# Altium PCB RUMBA_plus.PcbDoc (part 3 of 3)
Units mil, origin at the board's own origin, x right, y up, seen from the top; angles counter-clockwise.
Board outline 5314.96 x 2952.76 mil, 2 copper layers (Top Layer, Bottom Layer), stack 62.249 mil thick; 205 components, 188 nets, 892 pads, 249 vias.
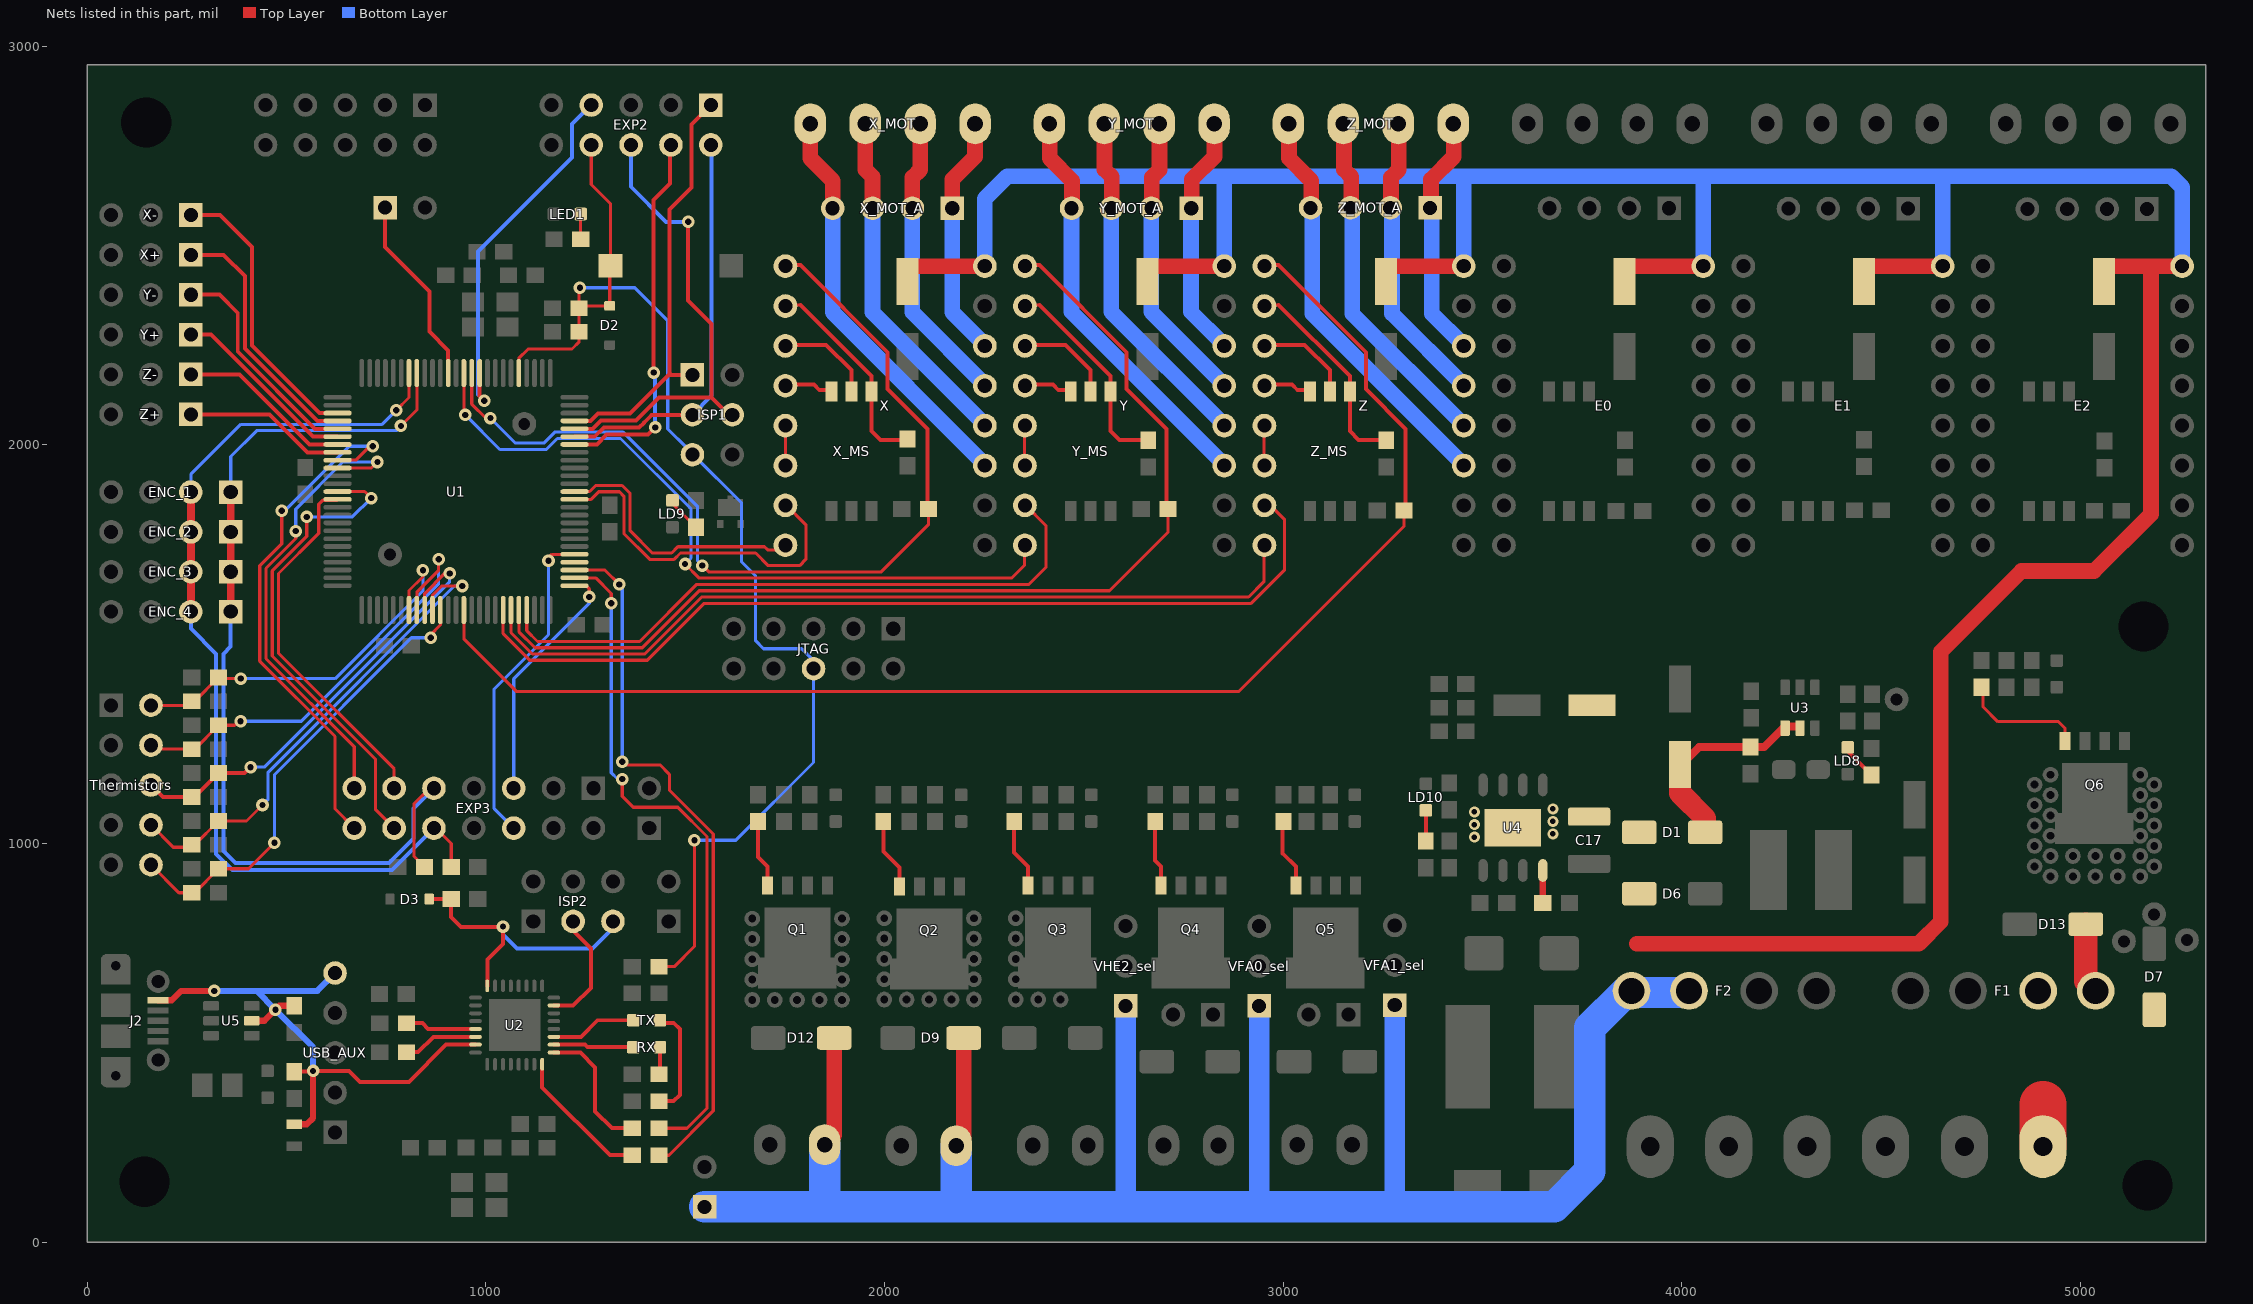
[diagram p3: the nets of this part, all layers, seen from the top]

## Via types
v1: diameter 31.5, hole 15.75, Top Layer to Bottom Layer, tented both sides, 190 vias
v2: diameter 27.56, hole 13.78, Top Layer to Bottom Layer, tented both sides, 54 vias
v3: diameter 27.56, hole 13.78, Top Layer to Bottom Layer, 5 vias

## Nets (pads, with @x,y where several pads share a name; then routed paths per layer and width w, separated by ;. In a path a pad name is that pad's centre, name@x,y a point inside that pad or via, vN(x,y) a via of type N, cw(c..) or ccw(c..) an arc to the next point about the centre after c; other vN are vias at no path point) (continued)
NetLD8_1: LD8.1 R20.1 | length 94
  Top Layer w10: LD8.1@4416.86,1240.65 4416.86,1230.78 R20.1@4476.38,1171.26
NetLD9_1: LD9.1 R58.1 | length 91.4
  Top Layer w7.87: LD9.1@1468.5,1860.24 1468.5,1852.36 R58.1@1527.56,1793.31
NetLD10_1: LD10.1 R59.1 | length 76.8
  Top Layer w10: R59.1@3358.27,1005.9 LD10.1@3358.27,1082.68
NetLED1_1: LED1.1 R13.1 | length 63
  Top Layer w7.87: R13.1@1238.19,2515.75 LED1.1@1238.19,2578.74
NetQ1_1: Q1.1 R34.2 | length 170.1
  Top Layer w10: R34.2@1683.12,1054.84 1683.12,966.33 1707.25,942.2 Q1.1@1707.25,894.78
NetQ2_1: Q2.1 R37.2 | length 160.8
  Top Layer w10: R37.2@1998.15,1036.49 1998.15,979.72 2038.15,939.71 Q2.1@2038.15,892.3
NetQ3_1: Q3.1 R48.2 | length 179.1
  Top Layer w10: R48.2@2336.07,1054.84 2325.15,1043.92 2325.15,977.25 2360.2,942.2 Q3.1@2360.2,894.78
NetQ4_1: Q4.1 R51.2 | length 170.1
  Top Layer w10: R51.2@2670.04,1054.84 2679.15,1045.73 2679.15,957.22 2694.18,942.2 Q4.1@2694.18,894.78
NetQ5_1: Q5.1 R46.2 | length 177.4
  Top Layer w10: R46.2@3008.01,1054.84 2999.15,1045.97 2999.15,975.2 3032.15,942.2 Q5.1@3032.15,894.78
NetQ6_1: Q6.1 R31.2 | length 316.8
  Top Layer w7.87: R31.2@4740.3,1393.39 4755.91,1377.79 4755.91,1342.52 4793.13,1305.3 4945.3,1305.3 4961.3,1289.3 Q6.1@4961.3,1257.3
NetR7_1: R7.1 U2.30 | length 189.2
  Top Layer w10: R7.1@801.11,476.2 830.53,476.2 869.06,514.72 U2.30@974.33,514.72
NetR8_1: R8.1 U2.29 | length 179.2
  Top Layer w10: R8.1@801.11,548.87 840.89,548.87 855.35,534.41 U2.29@974.33,534.41
NetR10_2: R10.2 U4.4 | length 65.7
  Top Layer w15.75: R10.2@3651.77,866.34 U4.4@3651.77,932.09
NetR15_2: R15.2 TX.1 | length 277.6
  Top Layer w10: R15.2@1434.39,353.18 1471.29,353.18 1487.15,369.04 1487.15,534.3 1471.62,549.83 TX.1@1440.52,549.83
NetR16_2: R16.2 RX.1 | length 68.8
  Top Layer w10: R16.2@1434.39,420.9 1437.07,423.58 RX.1@1437.07,488.61
NetR17_1: R17.1 U2.8 | length 354.1
  Top Layer w10: U2.8@1141.65,445.83 1141.65,388.04 1311.94,217.75 R17.1@1367.46,217.75
NetR18_1: R18.1 U2.9 | length 339.5
  Top Layer w10: U2.9@1171.18,475.35 1237.24,475.35 1274.53,438.07 1274.53,327.92 1316.98,285.47 R18.1@1367.46,285.47
NetR22_1: R22.1 X.2 X_MS.4 | length 526.5
  Top Layer w7.87: X.2@1751.94,2350.57 1789.05,2350.57
  Top Layer w10: 1789.05,2350.57 1967.57,2172.05 1967.57,2034.05 1989.79,2011.83 R22.1@2057.28,2011.83
NetR24_1: R24.1 Y.2 Y_MS.4 | length 526.5
  Top Layer w7.87: Y.2@2351.94,2350.57 2389.05,2350.57
  Top Layer w10: 2389.05,2350.57 2567.57,2172.05 2567.57,2034.05 2589.79,2011.83 R24.1@2657.28,2011.83
NetR26_1: R26.1 Z.2 Z_MS.4 | length 526.5
  Top Layer w7.87: Z.2@2951.94,2350.57 2989.05,2350.57
  Top Layer w10: 2989.05,2350.57 3167.57,2172.05 3167.57,2034.05 3189.79,2011.83 R26.1@3257.28,2011.83
NetRX_2: RX.2 U2.10 | length 201.6
  Top Layer w10: U2.10@1171.18,495.04 1249.06,495.04 1255.48,488.61 RX.2@1370.15,488.61
NetTX_2: TX.2 U2.11 | length 216.2
  Top Layer w10: U2.11@1171.18,514.72 1239.13,514.72 1280.74,556.33 TX.2@1370.15,556.33
NetX_3: X.3 X_MS.5 | length 242.3
  Top Layer w10: X.3@1751.94,2250.57 1854.05,2250.57 1917.57,2187.05 X_MS.5@1917.57,2136.69
NetX_4: X.4 X_MS.6 | length 121.4
  Top Layer w10: X.4@1751.94,2150.57 1823.05,2150.57 1836.93,2136.69 X_MS.6@1867.57,2136.69
NetX_5: X.5 X.6 | length 100
  Top Layer w7.87: X.6@1751.94,1950.57 X.5@1751.94,2050.57
NetX_11: X.11 X_MOT.1 X_MOT_A.4 | length 1035.6
  Top Layer w39.37: X_MOT.1@1814.2,2804.88 1814.2,2718.4 1870.3,2662.3 X_MOT_A.4@1870.3,2593.3
  Bottom Layer w39.37: X_MOT_A.4@1870.3,2593.3 1870.3,2332.21 X.11@2251.94,1950.57
NetX_12: X.12 X_MOT.2 X_MOT_A.3 | length 878.5
  Top Layer w39.37: X_MOT.2@1952,2804.88 1952,2690.6 1970.3,2672.3 X_MOT_A.3@1970.3,2593.3
  Bottom Layer w39.37: X_MOT_A.3@1970.3,2593.3 1970.3,2332.21 X.12@2251.94,2050.57
NetX_13: X.13 X_MOT.3 X_MOT_A.2 | length 737.6
  Top Layer w39.37: X_MOT_A.2@2070.3,2593.3 2070.3,2670.3 2089.8,2689.8 X_MOT.3@2089.8,2804.88
  Bottom Layer w39.37: X_MOT_A.2@2070.3,2593.3 2070.3,2332.21 X.13@2251.94,2150.57
NetX_14: X.14 X_MOT.4 X_MOT_A.1 | length 611.9
  Top Layer w39.37: X_MOT_A.1@2170.3,2593.3 2170.3,2665.3 2227.59,2722.59 X_MOT.4@2227.59,2804.88
  Bottom Layer w39.37: X_MOT_A.1@2170.3,2593.3 2170.3,2332.21 X.14@2251.94,2250.57
NetY_3: Y.3 Y_MS.5 | length 242.3
  Top Layer w10: Y.3@2351.94,2250.57 2454.05,2250.57 2517.57,2187.05 Y_MS.5@2517.57,2136.69
NetY_4: Y.4 Y_MS.6 | length 121.4
  Top Layer w10: Y.4@2351.94,2150.57 2423.05,2150.57 2436.93,2136.69 Y_MS.6@2467.57,2136.69
NetY_5: Y.5 Y.6 | length 100
  Top Layer w7.87: Y.6@2351.94,1950.57 Y.5@2351.94,2050.57
NetY_11: Y.11 Y_MOT.1 Y_MOT_A.4 | length 1036
  Top Layer w39.37: Y_MOT.1@2414.6,2804.88 2414.6,2718.4 2470.69,2662.3 Y_MOT_A.4@2470.69,2593.3
  Bottom Layer w39.37: Y_MOT_A.4@2469.3,2593.3 2469.3,2333.21 Y.11@2851.94,1950.57
NetY_12: Y.12 Y_MOT.2 Y_MOT_A.3 | length 879
  Top Layer w39.37: Y_MOT.2@2552.39,2804.88 2552.39,2690.6 2570.69,2672.3 Y_MOT_A.3@2570.69,2593.3
  Bottom Layer w39.37: Y_MOT_A.3@2569.3,2593.3 2569.3,2333.21 Y.12@2851.94,2050.57
NetY_13: Y.13 Y_MOT.3 Y_MOT_A.2 | length 738
  Top Layer w39.37: Y_MOT_A.2@2670.69,2593.3 2670.69,2670.3 2690.19,2689.8 Y_MOT.3@2690.19,2804.88
  Bottom Layer w39.37: Y_MOT_A.2@2669.3,2593.3 2669.3,2333.21 Y.13@2851.94,2150.57
NetY_14: Y.14 Y_MOT.4 Y_MOT_A.1 | length 612.3
  Top Layer w39.37: Y_MOT_A.1@2770.69,2593.3 2770.69,2665.3 2827.98,2722.59 Y_MOT.4@2827.98,2804.88
  Bottom Layer w39.37: Y_MOT_A.1@2769.3,2593.3 2769.3,2333.21 Y.14@2851.94,2250.57
NetZ_3: Z.3 Z_MS.5 | length 242.3
  Top Layer w10: Z.3@2951.94,2250.57 3054.05,2250.57 3117.57,2187.05 Z_MS.5@3117.57,2136.69
NetZ_4: Z.4 Z_MS.6 | length 121.4
  Top Layer w10: Z.4@2951.94,2150.57 3023.05,2150.57 3036.93,2136.69 Z_MS.6@3067.57,2136.69
NetZ_5: Z.5 Z.6 | length 100
  Top Layer w7.87: Z.6@2951.94,1950.57 Z.5@2951.94,2050.57
NetZ_11: Z.11 Z_MOT.1 Z_MOT_A.4 | length 1035.4
  Top Layer w39.37: Z_MOT.1@3014.99,2804.88 3014.99,2718.4 3071.09,2662.3 Z_MOT_A.4@3071.09,2593.3
  Bottom Layer w39.37: Z_MOT_A.4@3073.3,2594.3 3073.3,2329.21 Z.11@3451.94,1950.57
NetZ_12: Z.12 Z_MOT.2 Z_MOT_A.3 | length 878.3
  Top Layer w39.37: Z_MOT.2@3152.79,2804.88 3152.79,2690.6 3171.09,2672.3 Z_MOT_A.3@3171.09,2593.3
  Bottom Layer w39.37: Z_MOT_A.3@3173.3,2594.3 3173.3,2329.21 Z.12@3451.94,2050.57
NetZ_13: Z.13 Z_MOT.3 Z_MOT_A.2 | length 737.4
  Top Layer w39.37: Z_MOT_A.2@3271.09,2593.3 3271.09,2670.3 3290.58,2689.8 Z_MOT.3@3290.58,2804.88
  Bottom Layer w39.37: Z_MOT_A.2@3273.3,2594.3 3273.3,2329.21 Z.13@3451.94,2150.57
NetZ_14: Z.14 Z_MOT.4 Z_MOT_A.1 | length 611.6
  Top Layer w39.37: Z_MOT_A.1@3371.09,2593.3 3371.09,2665.3 3428.38,2722.59 Z_MOT.4@3428.38,2804.88
  Bottom Layer w39.37: Z_MOT_A.1@3373.3,2594.3 3373.3,2329.21 Z.14@3451.94,2250.57
PB1_(SCK): EXP2.2 ISP1.3 U1.20 | length 1016.7
  Top Layer w10: U1.20@1222.84,2020.36 1273.5,2020.36 1296.14,2042.99 1384.89,2042.99 1396.57,2054.68 1396.57,2055.16 1416.46,2075.05 ISP1.3@1518.53,2075.05
  Bottom Layer w10: ISP1.3@1518.53,2075.05 1566.93,2123.45 1566.93,2749.87 EXP2.2@1564.67,2752.13
PB2_(MOSI): EXP2.6 ISP1.4 U1.21 | length 1196.2
  Top Layer w10: U1.21@1222.84,2040.04 1267.91,2040.04 1288.73,2060.87 1377.48,2060.87 1378.7,2062.08 1378.7,2062.57 1434.24,2118.11 1566.93,2118.11 ; v1(1507.87,2559.06) 1507.87,2362.2 1566.93,2303.15 1566.93,2118.11 ; ISP1.4@1618.53,2075.05 1609.99,2075.05 1566.93,2118.11
  Bottom Layer w10: EXP2.6@1364.67,2752.13 1364.67,2647.14 1452.76,2559.06 v1(1507.87,2559.06)
PB3_(MISO): EXP2.1 ISP1.1 U1.22 | length 1065.8
  Top Layer w10: U1.22@1222.84,2059.73 1262.31,2059.73 1281.33,2078.74 1362.2,2078.74 1458.51,2175.05 1465.9,2175.05 ; ISP1.1@1518.53,2175.05 1465.9,2175.05 ; EXP2.1@1564.67,2852.13 1515.75,2803.21 1515.75,2645.67 1460.63,2590.55 1460.63,2180.32 1465.9,2175.05
PC6: EXP3.14 U1.59 | length 1326.3
  Top Layer w7.87: v1(488.19,1834.65) 488.19,1751.62 433.07,1696.5 433.07,1457.04 621.84,1268.28 621.84,1086.61 EXP3.14@670.15,1038.3 ; U1.59@628.35,1961.3 673.9,1961.3 708.66,1996.06 v1(716.54,1996.06)
  Bottom Layer w7.87: v1(488.19,1834.65) 488.19,1826.77 657.48,1996.06 v1(716.54,1996.06)
PC7: EXP3.13 U1.60 | length 1182.8
  Top Layer w7.87: v1(523.62,1783.46) 523.62,1764.78 448.82,1689.98 448.82,1463.56 670.15,1242.23 EXP3.13@670.15,1138.3 ; U1.60@628.35,1941.62 713.27,1941.62 v1(728.35,1956.69)
  Bottom Layer w7.87: v1(523.62,1783.46) 523.62,1838.58 641.73,1956.69 v1(728.35,1956.69)
PJ0: EXP3.12 U1.63 | length 1215.1
  Top Layer w7.87: v1(551.18,1818.9) 551.18,1770.07 464.57,1683.46 464.57,1470.09 723.15,1211.5 723.15,1085.3 EXP3.12@770.15,1038.3 ; U1.63@628.35,1882.56 696.18,1882.56 v1(712.6,1866.14)
  Bottom Layer w7.87: v1(551.18,1818.9) 665.35,1818.9 v1(712.6,1866.14)
PJ1: EXP3.11 U1.64 | length 926.4
  Top Layer w7.87: U1.64@628.35,1862.88 626.38,1860.91 591.48,1860.91 581.1,1850.53 581.1,1777.72 480.32,1676.93 480.32,1476.61 770.15,1186.78 EXP3.11@770.15,1138.3
PS_ON: PS_ON.1 U1.39 | length 480.4
  Top Layer w10: PS_ON.1@747.67,2594.65 747.67,2496.43 859.29,2384.8 859.29,2283.47 905.91,2236.86 U1.39@905.91,2179.8
PWM_1: EXP3.5 U1.1 | length 619
  Top Layer w7.87: U1.1@1222.84,1646.34 1251.97,1646.34 1259.84,1638.47 v1(1259.84,1618.11)
  Bottom Layer w7.87: EXP3.5@1070.15,1138.3 1070.15,1412.67 1259.84,1602.36 v1(1259.84,1618.11)
PWM_2: EXP3.6 U1.5 | length 823.9
  Top Layer w7.87: v1(1157.48,1708.66) 1157.48,1716.54 1166.02,1725.08 U1.5@1222.84,1725.08
  Bottom Layer w7.87: EXP3.6@1070.15,1038.3 1021.15,1087.3 1021.15,1387.29 1157.48,1523.62 v1(1157.48,1708.66)
RESET: C8.2 C16.1 D2.A EXP2.8 ISP1.5 JTAG.6 R11.1 Reset.2 U1.30 | length 3198.9
  Top Layer w7.87: U1.30@1083.07,2179.8 1083.07,2216.93 1106.3,2240.16 1216.54,2240.16 1234.25,2257.87 R11.1@1234.25,2283.47 C8.2@1234.25,2342.52 ; v1(1236.22,2393.7) 1234.25,2391.73 C8.2@1234.25,2342.52 ; EXP2.8@1264.67,2752.13 1264.67,2652.65 1312.99,2604.33 Reset.2@1312.99,2448.82 1311.02,2446.85 D2.A@1311.02,2348.43 1240.16,2348.43 C8.2@1234.25,2342.52 ; C16.1@1435.03,690.77 1472.88,690.77 1523.62,741.52 v1(1523.62,1007.87)
  Bottom Layer w7.87: v1(1236.22,2393.7) 1374.02,2393.7 1456.69,2311.02 1456.69,2039.37 1503.94,1992.13 1503.94,1981.59 1497.39,1975.05 ISP1.5@1518.53,1975.05 1521.01,1975.05 1641.73,1854.33 1641.73,1706.08 1677.17,1670.64 1677.17,1507.87 1696.85,1488.19 1792.41,1488.19 JTAG.6@1842.3,1438.3 ; v1(1523.62,1007.87) 1627.27,1007.87 1822.3,1202.91 JTAG.6@1822.3,1438.3
RESET2: D3.A ISP2.5 R12.1 U2.24 | length 754
  Top Layer w10: D3.A@858.27,860.24 R12.1@913.39,860.24 913.39,814.96 937.96,790.39 1042.36,790.39 v1(1043.31,791.34) 1043.31,748.03 1003.94,708.66 1003.94,642.76 U2.24@1003.86,642.68
  Bottom Layer w10: v1(1043.31,791.34) 1043.31,771.65 1078.74,736.22 1267.72,736.22 1319.15,787.65 ISP2.5@1319.15,804.3
SCK2: ISP2.3 U2.15 | length 296
  Top Layer w10: U2.15@1171.18,593.46 1219.45,593.46 1263.78,637.8 1263.78,736.67 1219.15,781.3 ISP2.3@1219.15,804.3
SCL: ENC_1.1 ENC_2.1 ENC_3.1 ENC_4.1 EXP3.9 R3.1 U1.43 | length 2504.4
  Top Layer w7.87: v1(787.4,2047.24) 827.17,2087.01 U1.43@827.17,2179.8 ; R3.1@846.61,941.3 820.15,967.76 820.15,1099.3 859.15,1138.3 EXP3.9@870.15,1138.3
  Top Layer w19.68: ENC_4.1@360.31,1581.3 ENC_3.1@360.31,1681.3 ENC_2.1@360.31,1781.3 ENC_1.1@360.31,1881.3
  Bottom Layer w7.87: ENC_1.1@360.31,1881.3 360.31,1970.55 425.2,2035.43 775.59,2035.43 v1(787.4,2047.24) ; EXP3.9@870.15,1136.3 EXP3.9@870.15,1138.3
  Bottom Layer w10: ENC_4.1@360.31,1581.3 360.31,1494.17 341.77,1475.63 341.77,981.06 371.89,950.94 757.52,950.94 818.9,1012.33 818.9,1087.05 EXP3.9@870.15,1138.3
SD_CSEL: EXP2.4 U1.19 | length 948.5
  Top Layer w10: U1.19@1222.84,2000.67 1279.09,2000.67 1303.54,2025.12 1407.01,2025.12 v1(1425.2,2043.31) ; v1(1421.26,2181.1) 1421.26,2614.17 1462.3,2655.21 1462.3,2749.76 EXP2.4@1464.67,2752.13
  Bottom Layer w10: v1(1421.26,2181.1) 1425.2,2177.17 v1(1425.2,2043.31)
SD_DET: EXP2.7 U1.35 | length 930
  Top Layer w10: U1.35@984.65,2161.42 984.65,2121.65 v1(996.06,2110.23) v1@988.19,2110.23
  Bottom Layer w10: v1(996.06,2110.23) 980.31,2125.98 980.31,2484.25 1216.54,2720.47 1216.54,2803.99 EXP2.7@1264.67,2852.13
SDA: ENC_1.2 ENC_2.2 ENC_3.2 ENC_4.2 EXP3.10 R2.1 U1.44 | length 2402.1
  Top Layer w7.87: v1(775.59,2086.61) 807.48,2118.51 U1.44@807.48,2179.8 ; EXP3.10@870.15,1038.3 875.15,1038.3 913.69,999.76 R2.1@913.69,941.3
  Top Layer w19.68: ENC_4.2@260.31,1581.3 ENC_3.2@260.31,1681.3 ENC_2.2@260.31,1781.3 ENC_1.2@260.31,1881.3
  Bottom Layer w7.87: ENC_1.2@260.31,1881.3 260.31,1925.67 385.83,2051.18 740.16,2051.18 v1(775.59,2086.61) ; EXP3.10@859.34,1038.3 EXP3.10@870.15,1038.3
  Bottom Layer w10: ENC_4.2@260.31,1581.3 260.31,1538.9 323.9,1475.32 323.9,973.66 364.49,933.07 764.92,933.07 EXP3.10@870.15,1038.3
THERM0: C29.1 R43.2 Thermistors.2 U1.82 | length 959.8
  Top Layer w7.87: Thermistors.2@160.32,1346.3 242.85,1346.3 C29.1@252.85,1356.3 ; C29.1@262.85,1356.3 269.78,1356.3 R43.2@329.78,1416.3 332.69,1413.39 v1(385.83,1413.39) ; U1.82@807.09,1585.71 U1.82@807.48,1585.32 807.48,1634.25 842.52,1669.29 v1(842.52,1685.04)
  Bottom Layer w7.87: v1(385.83,1413.39) 622.16,1413.39 842.52,1633.74 v1(842.52,1685.04)
THERM1: C28.1 R42.2 Thermistors.4 U1.83 | length 1121.6
  Top Layer w7.87: Thermistors.4@160.32,1246.3 170.32,1236.3 C28.1@262.85,1236.3 269.78,1236.3 R42.2@329.78,1296.3 370.04,1296.3 380.04,1306.3 v1(385.04,1306.3) ; U1.83@827.17,1585.32 827.17,1630.32 881.89,1685.04 v1(881.89,1712.6)
  Bottom Layer w7.87: v1@393.87,1315.13 v1(385.04,1306.3) 537.35,1306.3 881.89,1650.84 v1(881.89,1712.6)
THERM2: C27.1 R41.2 Thermistors.6 U1.84 | length 1128
  Top Layer w7.87: U1.84@846.85,1585.32 846.85,1626.38 897.63,1677.16 v1(909.45,1677.16)
  Top Layer w10: Thermistors.6@160.32,1146.3 190.32,1116.3 C27.1@252.85,1116.3 ; C27.1@262.85,1116.3 269.78,1116.3 R41.2@329.78,1176.3 395.04,1176.3 v1(410.04,1191.3)
  Bottom Layer w7.87: v1(410.04,1191.3) 444.62,1191.3 909.45,1656.13 v1(909.45,1677.16)
  Bottom Layer w10: v1(410.04,1191.3) v1@415.04,1196.3
THERM3: C26.1 R40.2 Thermistors.8 U1.85 | length 1226.4
  Top Layer w7.87: Thermistors.8@160.32,1046.3 216.32,990.3 246.85,990.3 C26.1@252.85,996.3 ; C26.1@262.85,996.3 269.78,996.3 R40.2@329.78,1056.3 400.04,1056.3 v1(440.04,1096.3) ; U1.85@866.54,1585.32 866.54,1622.44 889.76,1645.67 v1(940.94,1645.67)
  Bottom Layer w7.87: v1(440.04,1096.3) 454.29,1110.55 454.29,1178.7 921.26,1645.67 v1(940.94,1645.67)
THERM4: C9.1 R54.2 Thermistors.10 U1.86 | length 1165.4
  Top Layer w7.87: Thermistors.10@160.32,946.3 230.32,876.3 C9.1@252.85,876.3 ; C9.1@262.85,876.3 269.78,876.3 R54.2@329.78,936.3 405.04,936.3 v1(470.04,1001.3) ; v1(862.2,1515.75) 862.2,1523.62 886.22,1547.64 U1.86@886.22,1585.32
  Bottom Layer w7.87: v1(470.04,1001.3) 470.04,1172.18 813.61,1515.75 v1(862.2,1515.75)
"USB RXD": R18.2 U1.2 | length 1712.8
  Top Layer w7.87: U1.2@1222.84,1666.03 1275.59,1666.03 1314.96,1626.66 v1(1314.96,1602.36) ; v1(1342.52,1161.42) 1342.52,1118.11 1370.08,1090.55 1481.67,1090.55 1555.12,1017.1 1555.12,335.54 1505.04,285.47 R18.2@1434.39,285.47
  Bottom Layer w7.87: v1(1314.96,1602.36) 1314.96,1177.17 1330.71,1161.42 v1(1342.52,1161.42)
USB_TXD: R17.2 U1.3 | length 1778.5
  Top Layer w7.87: U1.3@1222.84,1685.71 1298.54,1685.71 v1(1334.65,1649.61) ; v1(1342.52,1204.72) 1350.39,1196.85 1437.01,1196.85 1460.63,1173.23 1460.63,1133.86 1570.87,1023.62 1570.87,329.02 1459.6,217.75 R17.2@1434.39,217.75
  Bottom Layer w7.87: v1(1334.65,1649.61) 1342.52,1641.73 v1(1342.52,1204.72)
USB_XCK: U1.4
USBVCC: C11.2 F3.1 J2.VBUS R4.2 U2.31 U5.5 USB_AUX.5 | length 1538.9
  Top Layer w10: R4.2@519.69,427.16 564.96,427.16 v1(566.93,429.13) 657.48,429.13 685.04,401.57 807.09,401.57 900.55,495.04 U2.31@974.33,495.04
  Top Layer w15.75: J2.VBUS@178.15,606.3 212.6,606.3 236.22,629.92 v1(318.9,629.92) ; U5.5@409.45,555.12 U5.5@413.39,555.12 444.88,555.12 v1(472.44,582.68) 482.28,592.52 C11.2@519.69,592.52 C11.2@523.62,592.52 ; F3.1@519.69,295.28 551.18,295.28 566.93,311.02 v1(566.93,429.13)
  Bottom Layer w15.75: v1(318.9,629.92) 425.2,629.92 ; v1(566.93,429.13) 566.93,488.19 v1(472.44,582.68) 425.2,629.92 ; USB_AUX.5@622.05,674.8 577.17,629.92 425.2,629.92
VIN: C1.1 C3.1 D1.K U3.4 U3.5 | length 532.9
  Top Layer w19.68: C1.1@3999.8,1197.77 4043.79,1241.76 C3.1@4172.8,1241.76 4207.32,1241.76 4258.61,1293.06 U3.5@4296.86,1293.06
  Top Layer w55: C1.1@3995.86,1197.77 3995.86,1126.19 4059.06,1062.99 D1.K@4059.06,1027.56
VIN1: C17.2 C21.1 C22.1 C23.1 C24.1 C25.1 C30.1 C31.1 D1.A D6.K D9.K D12.K E0.16 E1.16 E2.16 F2.1 HE0.1 HE1.1 PWR.1 U4.9 VFA0_sel.1 VFA1_sel.1 VHE2_sel.1 X.16 Y.16 Z.16 | length 13654.6
  Top Layer w39.37: HE0.1@1850.15,244.3 1874.02,268.17 D12.K@1874.02,511.81 ; C21.1@2061.95,2409.85 2061.95,2447.88 X.16@2251.94,2447.88 ; HE1.1@2180.15,241.3 2198.82,259.97 D9.K@2198.82,511.81 ; C22.1@2663.99,2409.85 2663.99,2447.46 2664.42,2447.88 Y.16@2851.94,2447.88 ; C23.1@3265.99,2409.85 3265.99,2447.88 Z.16@3451.94,2447.88 ; U4.9@3561.02,1043.31 U4.9@3564.96,1039.37 ; C24.1@3861.62,2410.09 3861.62,2447.88 E0.16@4051.61,2447.88 ; 3888.1,748.03 4594.49,748.03 4650.3,803.84 4650.3,1481.01 4852.36,1683.07 5034.54,1683.07 5177.17,1825.69 5177.17,2447.88 ; C25.1@4461.62,2410.09 4461.62,2447.88 E1.16@4651.61,2447.88 ; C30.1@5065.56,2410.09 5065.56,2447.88 5177.17,2447.88 ; E2.16@5255.54,2447.88 5177.17,2447.88
  Bottom Layer w39.37: X.16@2251.94,2447.88 2251.94,2616.94 2308.3,2673.3 2854.33,2673.3 ; Y.16@2852.66,2447.88 2852.66,2671.63 2854.33,2673.3 ; Z.16@3453.38,2447.88 3453.38,2669.38 3457.3,2673.3 ; E0.16@4054.1,2447.88 4054.1,2672.28 4055.12,2673.3 ; E1.16@4654.82,2447.88 4654.82,2672.02 4653.54,2673.3 ; 5224.3,2673.3 4653.54,2673.3 ; 5228.24,2673.3 5255.54,2645.99 E2.16@5255.54,2447.88 ; 2854.33,2673.3 3457.3,2673.3 ; 3457.3,2673.3 4055.12,2673.3 ; 4055.12,2673.3 4653.54,2673.3
  Bottom Layer w51.18: 2605.15,92.3 VHE2_sel.1@2605.15,592.3 ; 2940.15,98.3 VFA0_sel.1@2940.15,592.3 ; 3280.15,88.58 VFA1_sel.1@3280.15,594.3
  Bottom Layer w78.74: PWR.1@1549.15,88.3 2930.15,88.3 ; 1850.15,113.3 HE0.1@1850.15,244.3 ; 2180.15,115.3 HE1.1@2180.15,241.3 ; 2940.15,98.3 2930.15,88.3 ; 3278.15,88.3 2930.15,88.3 ; 3280.15,88.58 3681.1,88.58 3769.68,177.17 3769.68,537.4 3858.27,625.98 F2.1@4018.31,625.98
  other v2: 3480.31,1015.75 3677.17,1023.62 3480.31,1047.24 3677.17,1055.12 3480.31,1078.74 3677.17,1086.61
VIN2: D7.K D13.K F1.1 HB-OUT.2 | length 283
  Top Layer w59.06: D13.K@5013.78,797.4 5013.78,654.69 F1.1@5038.39,630.08
  Top Layer w118.11: HB-OUT.2@4906.15,239.3 4906.15,344.76
X-DIR: U1.13 X.8 | length 676.1
  Top Layer w7.87: U1.13@1222.84,1882.56 1260.51,1882.56 1275.59,1897.64 1342.12,1897.64 1362.2,1877.56 1362.2,1783.86 1417.72,1728.35 1466.31,1728.35 1482.06,1744.09 1699.44,1744.09 1707.31,1736.22 1737.58,1736.22 X.8@1751.94,1750.57
X-EN: R21.2 U1.36 X.1 | length 2375.1
  Top Layer w7.87: U1.36@964.96,2179.8 964.96,2101.97 1000,2066.93 v1(1011.81,2066.93) ; v1(1543.3,1696.85) 1559.05,1681.1 1720.47,1681.1 1992.13,1681.1 2110.46,1799.43 R21.2@2110.46,1838.88
  Top Layer w10: X.1@1751.94,2450.57 1789.05,2450.57 2007.63,2231.99 2007.63,2139.99 2107.63,2039.99 2107.63,1845.55 R21.2@2098.83,1836.75
  Bottom Layer w7.87: v1(1011.81,2066.93) 1074.8,2003.94 1145.67,2003.94 1173.22,2031.49 1344.55,2031.49 1531.5,1844.55 1531.5,1708.65 v1(1543.3,1696.85)
X-MAX: U1.54 X+.1 | length 647.1
  Top Layer w10: X+.1@260.3,2476.3 342.6,2476.3 395.83,2423.07 395.83,2241.34 577.44,2059.73 U1.54@628.35,2059.73
X-MIN: U1.53 X-.1 | length 718.6
  Top Layer w10: X-.1@260.3,2576.3 333.15,2576.3 413.7,2495.75 413.7,2248.75 583.04,2079.41 U1.53@628.35,2079.41
X-STEP: U1.12 X.7 | length 898.6
  Top Layer w7.87: U1.12@1222.84,1862.88 1264.45,1862.88 1283.47,1881.89 1335.6,1881.89 1346.46,1871.04 1346.46,1777.34 1411.31,1712.48 1472.72,1712.48 1488.58,1728.35 1677.17,1728.35 1708.66,1696.85 1787.4,1696.85 1803.15,1712.6 1803.15,1799.36 X.7@1751.94,1850.57
Y-DIR: U1.37 Y.8 | length 1869.7
  Top Layer w7.87: U1.37@945.28,2179.8 945.28,2078.34 v1(948.82,2074.8) ; v1(1500,1700.79) 1535.43,1665.35 2318.9,1665.35 2351.94,1698.39 Y.8@2351.94,1750.57
  Bottom Layer w7.87: v1(948.82,2074.8) 1035.43,1988.19 1152.19,1988.19 1179.75,2015.74 1338.03,2015.74 1514.77,1839 1514.77,1715.56 v1(1500,1700.79)
Y-EN: R23.2 U1.96 Y.1 | length 2664.2
  Top Layer w7.87: U1.96@1083.07,1585.32 1083.07,1531.22 1123.46,1490.83 1392.52,1490.83 1535.55,1633.86 2564.86,1633.86 2711.46,1780.46 R23.2@2711.46,1838.88
  Top Layer w10: Y.1@2351.94,2450.57 2389.05,2450.57 2607.63,2231.99 2607.63,2139.99 2707.63,2039.99 2707.63,1845.55 R23.2@2698.83,1836.75
Y-MAX: U1.56 Y+.1 | length 474.1
  Top Layer w10: Y+.1@260.3,2276.3 310.31,2276.3 566.26,2020.36 U1.56@628.35,2020.36
Y-MIN: U1.55 Y-.1 | length 564
  Top Layer w10: Y-.1@260.3,2376.3 332.36,2376.3 377.95,2330.71 377.95,2233.94 571.85,2040.04 U1.55@628.35,2040.04
Y-STEP: U1.97 Y.7 | length 1625.7
  Top Layer w7.87: U1.97@1104.73,1583.35 U1.97@1102.76,1585.32 1102.76,1533.8 1129.98,1506.58 1386,1506.58 1529.03,1649.61 2362.83,1649.61 2405.51,1692.29 2405.51,1797 Y.7@2351.94,1850.57
Z-DIR: U1.95 Z.8 | length 2136.8
  Top Layer w7.87: U1.95@1063.39,1585.32 1063.39,1528.63 1116.94,1475.08 1399.04,1475.08 1542.07,1618.11 2913.84,1618.11 2951.94,1656.21 Z.8@2951.94,1750.57
Z-EN: R25.2 U1.89 Z.1 | length 3483
  Top Layer w7.87: U1.89@945.28,1585.32 945.28,1513.12 1077.8,1380.59 2888.47,1380.59 3303.46,1795.58 R25.2@3303.46,1834.88
  Top Layer w10: Z.1@2951.94,2450.57 2989.05,2450.57 3207.63,2231.99 3207.63,2139.99 3307.63,2039.99 3307.63,1845.55 R25.2@3298.83,1836.75
Z-MAX: U1.58 Z+.1 | length 407.5
  Top Layer w10: Z+.1@260.3,2076.3 457.48,2076.3 552.79,1980.99 U1.58@628.35,1980.99
Z-MIN: U1.57 Z-.1 | length 440.8
  Top Layer w10: Z-.1@260.3,2176.3 382.76,2176.3 558.39,2000.67 U1.57@628.35,2000.67
Z-STEP: U1.94 Z.7 | length 2334.8
  Top Layer w7.87: U1.94@1043.7,1585.32 1043.7,1526.05 1110.42,1459.33 1405.56,1459.33 1548.28,1602.05 2920.05,1602.05 3003.94,1685.94 3003.94,1811.66 Z.7@2965.03,1850.57
  Top Layer w10: Z.7@2951.94,1850.57 Z.7@2965.03,1850.57
pads on no net: C17.0 D1.0 D2.0 D3.0 D6.0 D7.0 D8.0 D9.0 D10.0 D11.0 D12.0 D13.0 D14.0 J2.4 J2.5 J2.6 J2.7 J2.ID JTAG.8 LD1.0 LD2.0 LD3.0 LD4.0 LD5.0 LD6.0 LD7.0 LD8.0 LD9.0 LD10.0 LED1.0 RX.0 sc1.0 sc2.0 sc3.0 sc4.0 TX.0 U1.8 U1.9 U1.14 U1.23 U1.27 U1.28 U1.29 U1.47 U1.48 U1.49 U1.65 U1.66 U1.67 U1.68 U1.69 U1.79 U2.5 U2.6 U2.7 U2.12 U2.14 U2.18 U2.19 U2.20 U2.21 U2.22 U2.23 U2.25 U2.26 U3.0 U5.0 U5.4 U5.6

## Polygon pours and split planes (outlines as drawn)
NetD12_A on Bottom Layer "NETD12_A_L02_P1013" (solid, pour order 1013): 1942.15,122.05 1631.15,122.05 1631.15,844.3 1942.15,844.3
NetD9_A on Bottom Layer "NETD9_A_L02_P1012" (solid, pour order 1012): 2274.15,129.92 1950.15,129.92 1950.15,845.3 2274.15,845.3
NetD14_A on Bottom Layer "NETD14_A_L02_P1011" (solid, remove dead copper, pour order 1011): 2605.15,125.98 2284.15,125.98 2284.15,845.3 2605.15,845.3
VIN1 on Bottom Layer "VIN1_L02_P1006" (solid, remove dead copper, pour order 1006): 3417.32,905.51 3417.32,1216.54 3716.54,1216.54 3716.54,905.51
GND on Bottom Layer "Bottom Layer-No Net" (solid, remove dead copper, pour order 1035): 0,2952.76 5314.96,2952.76 5314.96,0 0,0
NetD13_A on Bottom Layer "Bottom Layer-No Net" (solid, remove dead copper, pour order 1009): 5309.05,1200.04 5309.05,191.33 5309.05,0 4637.8,0 4637.8,330.71 4728.3,421.21 4728.3,1157.48 4770.86,1200.04
NetD10_A on Bottom Layer "NETD10_A_L02_P1001" (solid, remove dead copper, pour order 1001): 2933.15,125.98 2612.15,125.98 2612.15,845.3 2933.15,845.3
NetD11_A on Bottom Layer "NETD11_A_L02_P1000" (solid, remove dead copper, pour order 1000): 3268.15,125.98 2947.15,125.98 2947.15,845.3 3268.15,845.3
NetC18_1 on Top Layer "NETC18_1_L01_P1000" (solid, pour order 1008): 4293.31,1314.96 4293.31,1269.68 4293.31,1267.96 4250.43,1225.08 4250.43,1146.09 4168.52,1064.19 4168.52,828.74 4299.98,828.74 4299.98,1048.02 4409.45,1157.48 4409.45,1314.96 4320.87,1314.96
VIN2 on Top Layer "Bottom Layer-GND" (solid, remove dead copper, pour order 1002): 4842.52,696.85 4842.52,132.84 5080.63,132.84 5078.74,157.48 5153.15,280 5153.15,285 5223.15,285 5278.15,230 5283.15,225 5314.96,225 5314.96,716.54 4862.2,716.54
GND on Top Layer "Bottom Layer-No Net" (solid, pour order 1031): 3204.15,896.3 3204.15,961.3 3178.15,987.3 3081.15,987.3 3084.15,987.3 3061.15,964.3 3061.15,961.3 3061.15,896.3
GND on Top Layer "Bottom Layer-No Net" (solid, pour order 1029): 2865.15,896.3 2865.15,961.3 2839.15,987.3 2742.15,987.3 2745.15,987.3 2722.15,964.3 2722.15,961.3 2722.15,896.3
GND on Top Layer "Bottom Layer-No Net" (solid, pour order 1027): 2532.15,892.3 2532.15,957.3 2506.15,983.3 2409.15,983.3 2412.15,983.3 2389.15,960.3 2389.15,957.3 2389.15,892.3
GND on Top Layer "Bottom Layer-No Net" (solid, pour order 1025): 2210.15,893.3 2210.15,958.3 2184.15,984.3 2087.15,984.3 2090.15,984.3 2067.15,961.3 2067.15,958.3 2067.15,893.3
GND on Top Layer "Bottom Layer-No Net" (solid, pour order 1023): 1879.15,895.3 1879.15,960.3 1853.15,986.3 1756.15,986.3 1759.15,986.3 1736.15,963.3 1736.15,960.3 1736.15,895.3
GND on Top Layer "Bottom Layer-No Net" (solid, pour order 1021): 5133.3,1257.3 5133.3,1322.3 5107.3,1348.3 5010.3,1348.3 5013.3,1348.3 4990.3,1325.3 4990.3,1322.3 4990.3,1257.3
NetD11_A on Top Layer "Bottom Layer-No Net" (solid, pour order 1019): 3257.15,307.3 2940.15,307.3 2940.15,845.3 3257.15,845.3
NetD10_A on Top Layer "Bottom Layer-No Net" (solid, pour order 1017): 2936.15,307.3 2609.15,307.3 2609.15,845.3 2936.15,845.3
NetD14_A on Top Layer "Bottom Layer-No Net" (solid, pour order 1016): 2603.15,307.3 2291.34,307.3 2291.34,845.3 2603.15,845.3
NetD9_A on Top Layer "Bottom Layer-No Net" (solid, pour order 1015): 2263.78,307.3 1960.63,307.3 1960.63,845.3 2263.78,845.3
NetD12_A on Top Layer "Bottom Layer-No Net" (solid, pour order 1014): 1933.07,307.3 1631.15,307.3 1631.15,844.3 1933.07,844.3
NetD13_A on Top Layer "Bottom Layer-No Net" (solid, remove dead copper, pour order 1010): 5309.05,1200.04 5309.05,615 5073.73,615 5063.15,642.23 4858.15,642.23 4858.15,132.84 4591.57,132.84 4590.98,365.71 4729.21,503.94 4729.21,1157.48 4771.77,1200.04
GND on Top Layer "Bottom Layer-No Net" (solid, remove dead copper, pour order 1037): -0.03,2944.3 5314.96,2944.3 5314.96,1079.07 4828.15,629.07 5122.05,0 4718.15,0 -8.72,-3.55
NetC33_2 on Top Layer "NETC33_2_L01_P1005" (solid, pour order 1005): 3336.61,177.17 3503.94,177.17 3592.52,286.19 3592.52,738.19 3519.68,811.02 3519.68,974.41 3440.94,974.41 3440.94,905.51 3336.61,905.51
NetF2_0 on Top Layer "NETF2_0_L01_P1007" (solid, pour order 1007): 4055.12,132.84 4055.12,452.76 4114.17,511.81 4114.17,720.47 4393.7,720.47 4393.7,559.06 4183.07,348.43 4183.07,132.84
NetF1_0 on Top Layer "NETF1_0_L01_P1003" (solid, pour order 1003): 4444.88,132.84 4444.88,716.54 4751.97,716.54 4771.65,696.85 4771.65,559.06 4582.68,370.08 4582.68,132.84
VIN1 on Top Layer "VIN1_L01_P1004" (solid, pour order 1004): 3440.94,932.09 3440.94,1146.65 3671.26,1146.65 3671.26,1407.48 3937.2,1407.48 3937.2,797.05 3998.03,736.22 4129.92,736.22 4094.49,700.79 4094.49,531.5 3814.96,531.5 3814.96,675.2 3848.43,708.66 3848.43,986.22 3820.87,1013.78 3698.82,1013.78 3671.26,986.22 3671.26,932.09

## Keep-outs
Keep-Out Layer:
  circle w7.87: c148.53,2808.06 r137.8
  circle w7.87: c144.3,151.3 r137.8
  circle w7.87: c5168.3,142.3 r137.8
  circle w7.87: c5158.3,1544.3 r137.8
  lines w7.87: -3.25,289.1 144.3,289.1 ; 0.98,2670.27 148.53,2670.27 ; 282.09,3.75 282.09,151.3 ; 286.32,2808.06 286.32,2955.61 ; 5030.5,0 5030.5,142.3 ; 5158.3,1406.5 5305.85,1406.5 ; 5158.3,1682.1 5305.85,1682.1 ; 5168.3,280.1 5315.85,280.1
  lines w10: 0,0 5314.96,0 5314.96,2952.76 0,2952.76 0,0

## Other copper
Top Layer:
  rectangle net GND: 4986.3,1262.3 5181.3,1366.3
  pour cut-out: 4114.17,511.81 4114.17,698.82 4094.49,698.82 4094.49,492.13
  pour cut-out: 3598.43,314.96 3598.43,602.36 3637.8,602.36 3637.8,314.96
Bottom Layer:
  rectangle net GND: 1702.15,915.21 3241.15,1006.3
  rectangle net GND: 4964.3,1280.3 5158.3,1384.3

## Silkscreen, mask and mechanical layers (free items; w line width, h text height)
Top Overlay:
  drawing of 70 lines, arcs and shapes, not listed
  text "v" at 1664.3,2879.3 h60 r270
  text "v" at 942.3,2873.3 h60 r270
  text "S" at 244.3,2642.3 h39.37
  text "+" at 44.3,2641.3 h39.37
  text "-" at 145.3,2641.3 h39.37
  text "1B" at 3028.3,2489.3 h39.37
  text "1A" at 3129.3,2489.3 h39.37
  text "2A" at 3226.3,2489.3 h39.37
  text "2B" at 3331.3,2489.3 h39.37
  text "1B" at 3622.3,2489.3 h39.37
  text "1A" at 3723.3,2489.3 h39.37
  text "2A" at 3820.3,2489.3 h39.37
  text "2B" at 3925.3,2489.3 h39.37
  text "1B" at 4222.3,2489.3 h39.37
  text "1A" at 4323.3,2489.3 h39.37
  text "2A" at 4420.3,2489.3 h39.37
  text "2B" at 4525.3,2489.3 h39.37
  text "1B" at 2427.3,2488.3 h39.37
  text "1A" at 2528.3,2488.3 h39.37
  text "2A" at 2625.3,2488.3 h39.37
  text "2B" at 2730.3,2488.3 h39.37
  text "1B" at 4825.24,2488.3 h39.37
  text "1A" at 4926.24,2488.3 h39.37
  text "2A" at 5023.24,2488.3 h39.37
  text "2B" at 5128.24,2488.3 h39.37
  text "1B" at 1826.3,2487.3 h39.37
  text "1A" at 1927.3,2487.3 h39.37
  text "2A" at 2024.3,2487.3 h39.37
  text "2B" at 2129.3,2487.3 h39.37
  text "Endstops" at 453.15,2476.3 h39.37 r270
  text "v" at 1453.13,2155.04 h60 r90
  text "I2C Encoders" at 468.15,1956.3 h39.37 r270
  text "D" at 244.31,1947.3 h39.37
  text "C" at 344.31,1947.3 h39.37
  text "+" at 44.31,1946.3 h39.37
  text "-" at 145.31,1946.3 h39.37
  text "PWR" at 1446.25,1703.38 h39.37
  text "HB" at 4910.3,1521.3 h39.37
  text "1B Green" at 2683.3,1485.3 h39.37
  text "1A Yellow" at 2683.3,1423.97 h39.37
  text "2A Grey" at 2683.3,1362.63 h39.37
  text "Thermistors" at 515.98,1351.3 h39.37 r270
  text "T0" at 385.69,1326.3 h39.37
  text "2B Red" at 2683.3,1301.3 h39.37
  text "T1" at 385.69,1226.3 h39.37
  text "v" at 1250.15,1217.3 h60
  text "12V" at 3338.58,1196.85 h39.37
  text "5V" at 4519.69,1192.91 h39.37
  text "HE0" at 1802.15,1179.3 h39.37
  text "HE1" at 2127.15,1179.3 h39.37
  text "HE2" at 2440.15,1179.3 h39.37
  text "FAN1" at 3085.15,1179.3 h39.37
  text "FAN0" at 2748.15,1178.3 h39.37
  text "_" at 1486.59,1143.58 h39.37
  text "T2" at 385.69,1126.3 h39.37
  text "T3" at 385.69,1026.3 h39.37
  text "+" at 1486.59,1015.58 h39.37
  text "TB" at 385.69,926.3 h39.37
  text "_" at 1537.15,912.3 h39.37
  text "12V-Select" at 3301.15,872.3 h39.37 r90
  text "12V-Select" at 2626.15,871.3 h39.37 r90
  text "12V-Select" at 2958.15,871.3 h39.37 r90
  text "+" at 1537.15,784.3 h39.37
  text "USB" at 314.96,669.29 h39.37
  text "PWR" at 3301.15,421.3 h39.37 r90
  text "PWR" at 2626.15,419.3 h39.37 r90
  text "PWR" at 2958.15,419.3 h39.37 r90
  text "v" at 640.98,216.91 h60 r180
  text "USB / PWR" at 338.58,192.91 h39.37
  text "_" at 1457.15,189.3 h39.37
  text "12V..35V" at 3799.21,102.36 h39.37 r90
  text "+" at 1457.15,61.3 h39.37
  text "-" at 1684.89,21.3 h78.74
  text "-" at 3007.89,21.3 h78.74
  text "-" at 2344.89,19.3 h78.74
  text "-" at 2672.89,19.3 h78.74
  text "-" at 2014.89,18.3 h78.74
  text "+" at 1827.89,16.3 h78.74
  text "+" at 3150.89,16.3 h78.74
  text "+" at 2487.89,14.3 h78.74
  text "+" at 2815.89,14.3 h78.74
  text "+" at 2157.89,13.3 h78.74
  text "-" at 3895.24,-0.51 h78.74
  text "+" at 4091.3,-0.51 h78.74
  text "-" at 4288.24,-0.51 h78.74
  text "+" at 4484.3,-0.51 h78.74
  text "-" at 4683.24,-0.51 h78.74
  text "+" at 4879.3,-0.51 h78.74
Bottom Overlay:
  lines w8: 2220.3,1038.3 3173.3,1038.3 ; 2229.3,1633.3 3173.3,1633.3
  text "BOARD MODEL" at 3172.3,1565.3 h40
  text "RUMBA+" at 3167.3,1488.3 h55
  text "V1.4B" at 2366.3,1476.3 h40
  text "....................................................." at 3167.3,1456.3 h21.65 r180
  text "OPEN SOURCE" at 3169.3,1375.3 h42
  text "3D PRINTER ELECTRONICS" at 3169.3,1311.3 h40
  text "....................................................." at 3167.3,1279.3 h21.65 r180
  text "WWW.AUS3D.COM.AU" at 3169.3,1201.3 h40
  text "....................................................." at 3167.3,1167.3 h21.65 r180
  text "MADE IN CHINA" at 3169.3,1081.3 h40
Top Solder:
  text "A" at 2096.3,1549.17 h55.12
  text "RUMBA+" at 2096.3,1403.11 h141.73
Mechanical 2:
  the board outline again, w10

## Dimensions
5158.3,1544.3 to 148.53,2808.06 on Mechanical 2
5158.3,1544.3 to 5168.3,142.3 on Mechanical 2
148.53,2808.06 to 5158.3,1544.3 on Mechanical 2
144.3,151.3 to 148.53,2808.06 on Mechanical 2
0,2952.76 to 5314.96,2952.76 on Mechanical 2
0,2952.76 to 0,0 on Mechanical 2

## Text inside footprints (layer, text, board x,y; h text height)
E0: Mechanical 15 "DIR" at 3604.1,1735.68 h24; Mechanical 15 "STEP" at 3604.1,1835.68 h24; Mechanical 15 "SLP" at 3604.1,1935.68 h24; Mechanical 15 "RST" at 3604.1,2035.68 h24; Mechanical 15 "MS3" at 3604.1,2135.68 h24; Mechanical 15 "MS2" at 3604.1,2235.68 h24; Mechanical 15 "MS1" at 3604.1,2335.68 h24; Mechanical 15 "EN" at 3604.1,2435.68 h24; Mechanical 15 "GND" at 3920.44,1731.54 h24; Mechanical 15 "VDD" at 3920.44,1832.64 h24; Mechanical 15 "1B" at 3920.44,1933.74 h24; Mechanical 15 "1A" at 3920.44,2034.83 h24; Mechanical 15 "2A" at 3920.44,2135.93 h24; Mechanical 15 "2B" at 3920.44,2237.03 h24; Mechanical 15 "GND" at 3920.44,2338.12 h24; Mechanical 15 "Vmot" at 3920.44,2439.22 h24
E1: Mechanical 15 "Vmot" at 4521.16,2439.22 h24; Mechanical 15 "GND" at 4521.16,2338.12 h24; Mechanical 15 "2B" at 4521.16,2237.03 h24; Mechanical 15 "2A" at 4521.16,2135.93 h24; Mechanical 15 "1A" at 4521.16,2034.83 h24; Mechanical 15 "1B" at 4521.16,1933.74 h24; Mechanical 15 "VDD" at 4521.16,1832.64 h24; Mechanical 15 "GND" at 4521.16,1731.54 h24; Mechanical 15 "EN" at 4204.82,2435.68 h24; Mechanical 15 "MS1" at 4204.82,2335.68 h24; Mechanical 15 "MS2" at 4204.82,2235.68 h24; Mechanical 15 "MS3" at 4204.82,2135.68 h24; Mechanical 15 "RST" at 4204.82,2035.68 h24; Mechanical 15 "SLP" at 4204.82,1935.68 h24; Mechanical 15 "STEP" at 4204.82,1835.68 h24; Mechanical 15 "DIR" at 4204.82,1735.68 h24
E2: Mechanical 15 "DIR" at 4805.54,1735.68 h24; Mechanical 15 "STEP" at 4805.54,1835.68 h24; Mechanical 15 "SLP" at 4805.54,1935.68 h24; Mechanical 15 "RST" at 4805.54,2035.68 h24; Mechanical 15 "MS3" at 4805.54,2135.68 h24; Mechanical 15 "MS2" at 4805.54,2235.68 h24; Mechanical 15 "MS1" at 4805.54,2335.68 h24; Mechanical 15 "EN" at 4805.54,2435.68 h24; Mechanical 15 "GND" at 5121.88,1731.54 h24; Mechanical 15 "VDD" at 5121.88,1832.64 h24; Mechanical 15 "1B" at 5121.88,1933.74 h24; Mechanical 15 "1A" at 5121.88,2034.83 h24; Mechanical 15 "2A" at 5121.88,2135.93 h24; Mechanical 15 "2B" at 5121.88,2237.03 h24; Mechanical 15 "GND" at 5121.88,2338.12 h24; Mechanical 15 "Vmot" at 5121.88,2439.22 h24
X: Mechanical 15 "DIR" at 1801.94,1735.68 h24; Mechanical 15 "STEP" at 1801.94,1835.68 h24; Mechanical 15 "SLP" at 1801.94,1935.68 h24; Mechanical 15 "RST" at 1801.94,2035.68 h24; Mechanical 15 "MS3" at 1801.94,2135.68 h24; Mechanical 15 "MS2" at 1801.94,2235.68 h24; Mechanical 15 "MS1" at 1801.94,2335.68 h24; Mechanical 15 "EN" at 1801.94,2435.68 h24; Mechanical 15 "GND" at 2118.27,1731.54 h24; Mechanical 15 "VDD" at 2118.27,1832.64 h24; Mechanical 15 "1B" at 2118.27,1933.74 h24; Mechanical 15 "1A" at 2118.27,2034.83 h24; Mechanical 15 "2A" at 2118.27,2135.93 h24; Mechanical 15 "2B" at 2118.27,2237.03 h24; Mechanical 15 "GND" at 2118.27,2338.12 h24; Mechanical 15 "Vmot" at 2118.27,2439.22 h24
Y: Mechanical 15 "Vmot" at 2719,2439.22 h24; Mechanical 15 "GND" at 2719,2338.12 h24; Mechanical 15 "2B" at 2719,2237.03 h24; Mechanical 15 "2A" at 2719,2135.93 h24; Mechanical 15 "1A" at 2719,2034.83 h24; Mechanical 15 "1B" at 2719,1933.74 h24; Mechanical 15 "VDD" at 2719,1832.64 h24; Mechanical 15 "GND" at 2719,1731.54 h24; Mechanical 15 "EN" at 2402.66,2435.68 h24; Mechanical 15 "MS1" at 2402.66,2335.68 h24; Mechanical 15 "MS2" at 2402.66,2235.68 h24; Mechanical 15 "MS3" at 2402.66,2135.68 h24; Mechanical 15 "RST" at 2402.66,2035.68 h24; Mechanical 15 "SLP" at 2402.66,1935.68 h24; Mechanical 15 "STEP" at 2402.66,1835.68 h24; Mechanical 15 "DIR" at 2402.66,1735.68 h24
Z: Mechanical 15 "Vmot" at 3319.72,2439.22 h24; Mechanical 15 "GND" at 3319.72,2338.12 h24; Mechanical 15 "2B" at 3319.72,2237.03 h24; Mechanical 15 "2A" at 3319.72,2135.93 h24; Mechanical 15 "1A" at 3319.72,2034.83 h24; Mechanical 15 "1B" at 3319.72,1933.74 h24; Mechanical 15 "VDD" at 3319.72,1832.64 h24; Mechanical 15 "GND" at 3319.72,1731.54 h24; Mechanical 15 "EN" at 3003.38,2435.68 h24; Mechanical 15 "MS1" at 3003.38,2335.68 h24; Mechanical 15 "MS2" at 3003.38,2235.68 h24; Mechanical 15 "MS3" at 3003.38,2135.68 h24; Mechanical 15 "RST" at 3003.38,2035.68 h24; Mechanical 15 "SLP" at 3003.38,1935.68 h24; Mechanical 15 "STEP" at 3003.38,1835.68 h24; Mechanical 15 "DIR" at 3003.38,1735.68 h24